# KiCad board solenoidDecoder.kicad_pcb (continued)
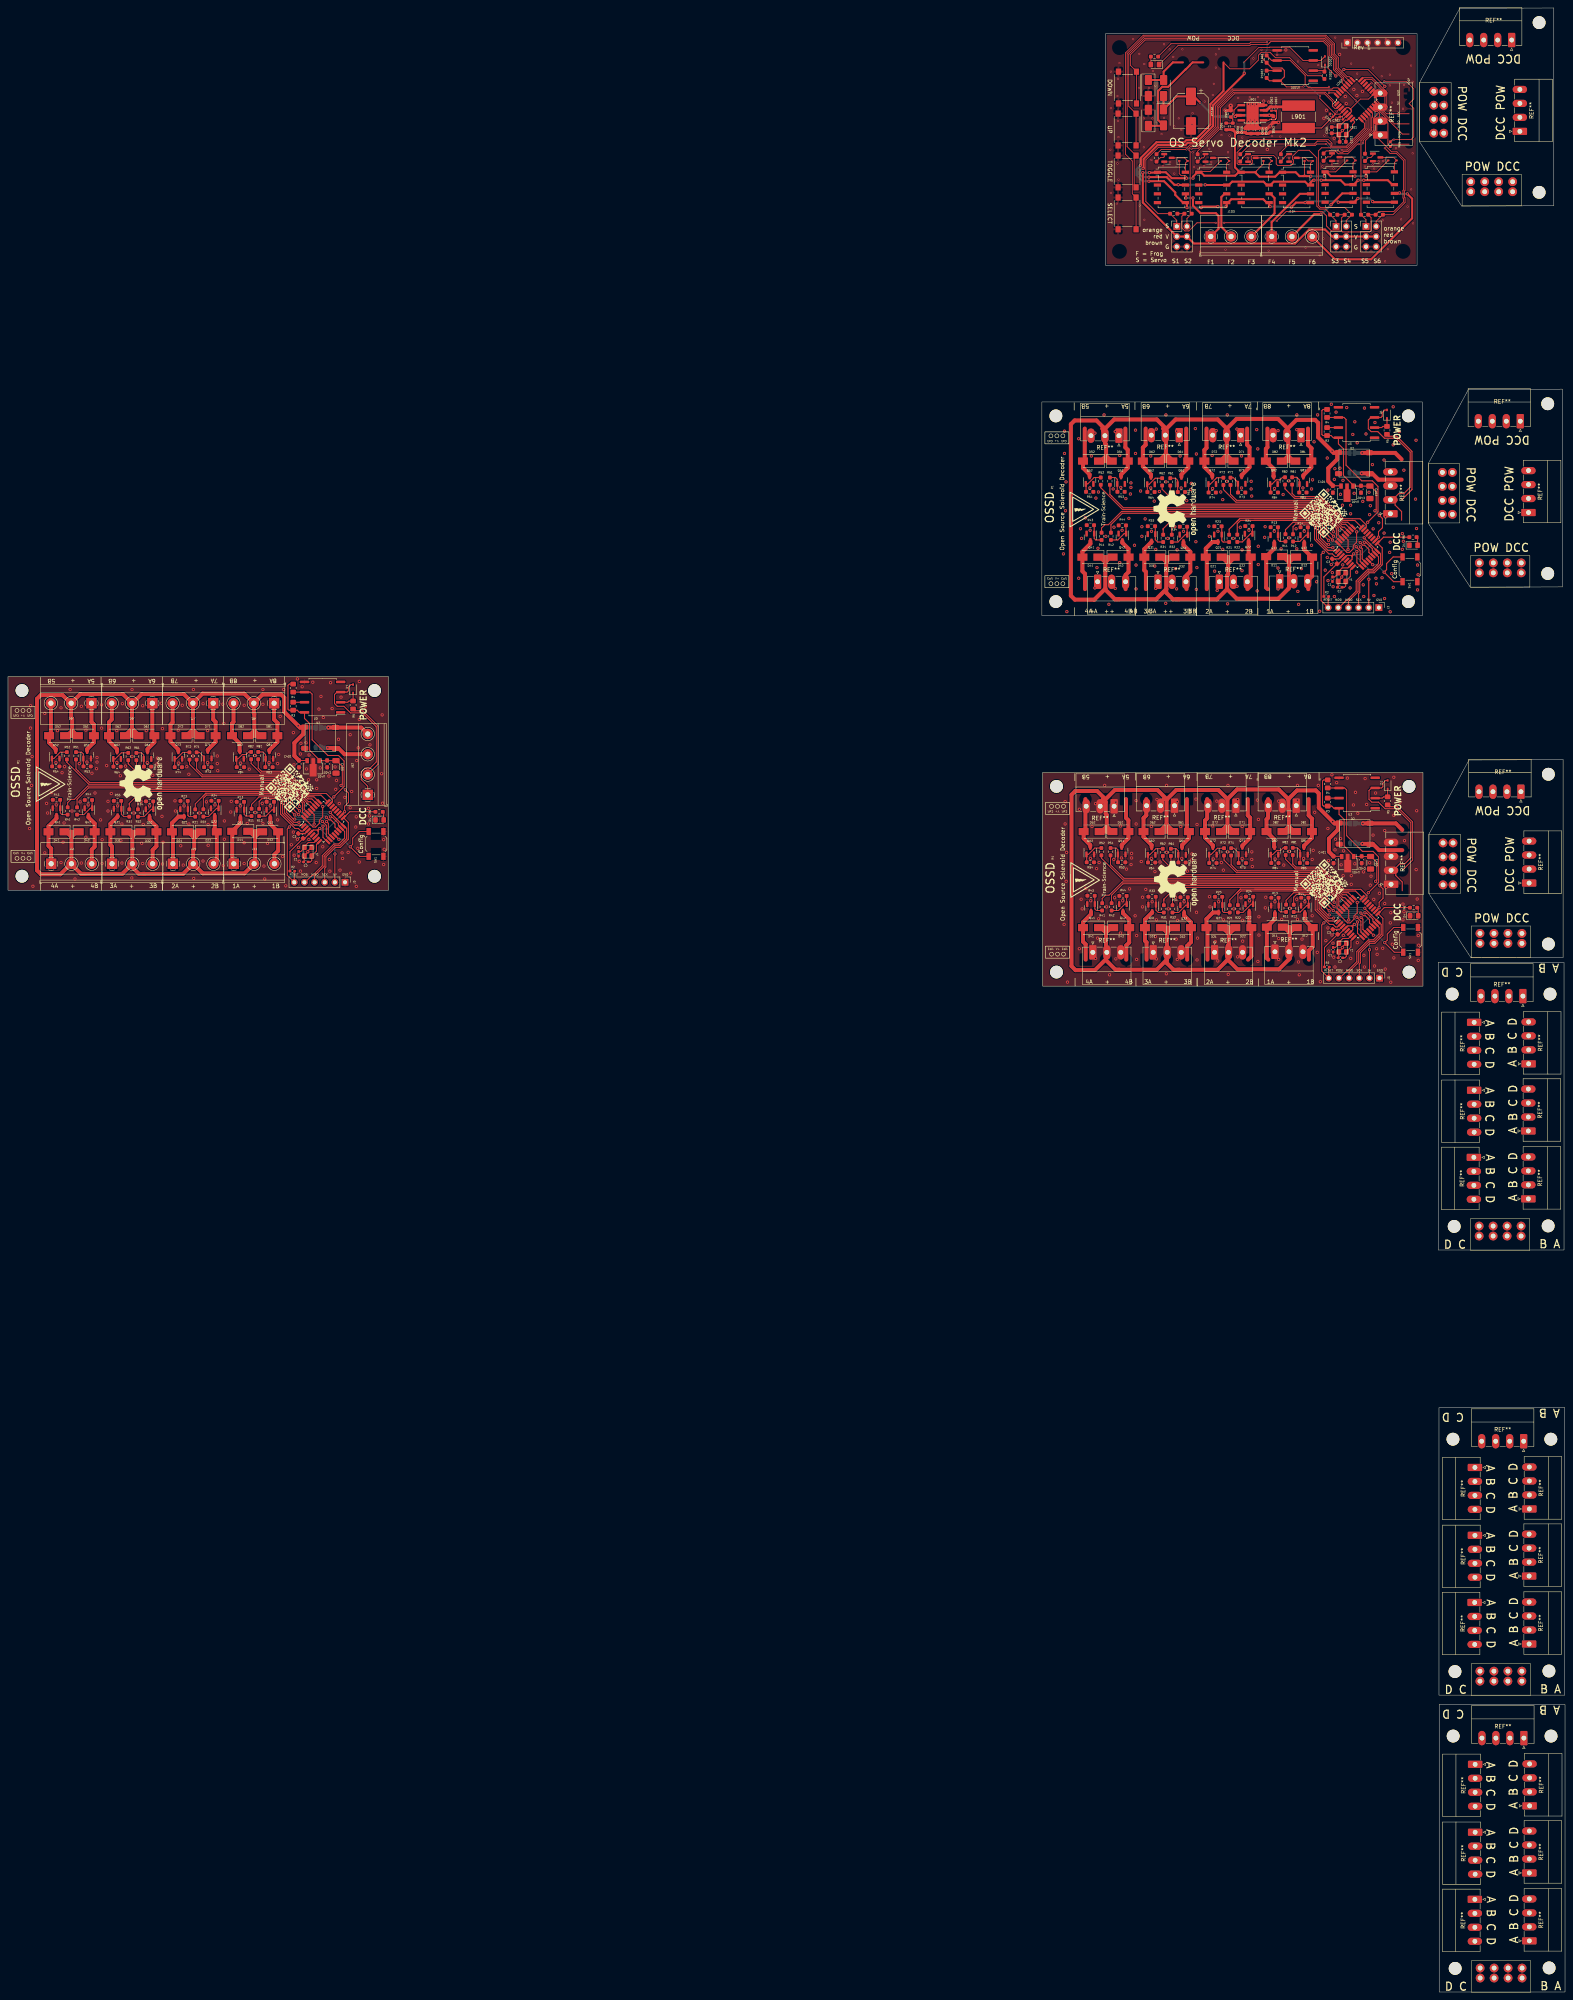
[diagram p0: board, top side]
## Routing (per net, layer and track width the routed paths; a pad name or vN(x,y) marks a point on that pad's centre or on a via; arc(x,y) is an arc through that point) (continued)
Net-(D42-A): length 38.9
  Top w1: Q42#3.3 278.98,362.84 280.54,361.28 D42#2.2 280.54,355.5 279.8,354.76 279.8,351.21 ; 279.96,258.46 279.96,262.01 280.7,262.74 D42.2 280.7,268.52 279.14,270.08 Q42#2.3 ; 20.96,282.46 20.96,286.01 21.7,286.74 D42#3.2 21.7,292.52 20.14,294.08 Q42.3
Net-(D51-A): length 38.7
  Top w1: Q51#3.3 278.66,379.91 280.34,381.59 D51#2.2 280.34,386.1 279.74,386.7 279.74,391.4 ; 279.9,298.64 279.9,293.94 280.5,293.34 D51#3.2 280.5,288.83 278.82,287.15 Q51#2.3 ; J51.1 20.9,317.94 21.5,317.34 D51.2 21.5,312.83 19.82,311.15 Q51.3
Net-(D52-A): length 38.5
  Top w1: J51.3 10.74,314.96 D52#2.2 10.29,312.8 11.95,311.15 Q52.3 ; 269.58,391.4 269.58,383.71 D52#3.2 269.13,381.55 270.79,379.9 Q52#3.3 ; 269.74,298.64 269.74,290.96 D52.2 269.29,288.8 270.95,287.15 Q52#2.3
Net-(D61-A): length 39
  Top w1: 295.13,298.64 295.13,291.03 D61#3.2 295.65,288.86 293.93,287.15 Q61#3.3 ; 36.13,322.64 36.13,315.03 D61#2.2 36.65,312.86 34.93,311.15 Q61.3 ; 294.97,391.4 294.97,383.78 D61.2 295.49,381.62 293.77,379.9 Q61#2.3
Net-(D62-A): length 39.6
  Top w1: 284.82,391.4 284.82,387.33 284.12,386.63 D62#3.2 284.12,381.94 286.15,379.9 Q62#2.3 ; Q62.3 286.31,287.15 284.28,289.18 D62.2 284.28,293.88 284.98,294.58 284.98,298.64 ; J61.3 25.98,318.58 25.28,317.88 D62#2.2 25.28,313.18 27.31,311.15 Q62#3.3
Net-(D71-A): length 39
  Top w1: J71.1 51.38,318.58 51.98,317.98 D71#3.2 51.98,312.96 50.01,310.99 Q71#2.3 ; 310.22,391.4 310.22,387.33 310.82,386.73 D71#2.2 310.82,381.71 308.85,379.75 Q71#3.3 ; 310.38,298.64 310.38,294.58 310.98,293.98 D71.2 310.98,288.96 309.01,286.99 Q71.3
Net-(D72-A): length 39.2
  Top w1: 300.06,391.4 300.06,386.57 299.52,386.03 D72.2 299.52,381.78 301.49,379.81 Q72.3 ; Q72#2.3 301.65,287.05 299.68,289.02 D72#3.2 299.68,293.28 300.22,293.82 300.22,298.64 ; Q72#3.3 42.65,311.05 40.68,313.02 D72#2.2 40.68,317.28 41.22,317.82 J71.3
Net-(D81-A): length 39.7
  Top w1: J81.1 66.62,318.57 67.51,317.69 67.44,317.62 D81.2 67.44,312.93 65.44,310.93 Q81.3 ; 325.46,391.4 325.46,387.33 326.35,386.44 326.28,386.38 D81#2.2 326.28,381.68 324.28,379.68 Q81#2.3 ; 325.62,298.64 325.62,294.57 326.51,293.69 326.44,293.62 D81#3.2 326.44,288.93 324.44,286.93 Q81#3.3
Net-(D82-A): length 39
  Top w1: Q82#2.3 316.98,286.72 316.98,288.61 D82.2 315.08,293.56 315.46,293.95 315.46,298.64 ; Q82#3.3 316.82,379.48 316.82,381.36 D82#2.2 314.92,386.32 315.3,386.7 315.3,391.4 ; J81.3 56.46,317.95 56.08,317.56 D82#3.2 57.98,312.61 57.98,310.72 Q82.3
Net-(Q11-G): length 15.5
  Top w0.25: R11.2 318.58,270.4 318.13,270.84 Q11#3.1 318.13,273.91 R13.2 ; R11#3.2 59.58,294.4 59.13,294.84 Q11.1 59.13,297.91 R13#3.2 ; R11#2.2 318.42,363.15 317.97,363.6 Q11#2.1 317.97,366.67 R13#2.2
Net-(Q12-G): length 19.2
  Top w0.25: R12#3.2 64.54,294.37 66.14,295.97 Q12#3.1 66.62,297.91 R14.2 ; R12.2 323.38,363.13 324.98,364.72 Q12#2.1 325.46,366.67 R14#3.2 ; R14#2.2 325.62,273.91 Q12.1 325.14,271.97 323.54,270.37 R12#2.2
Net-(Q21-G): length 16.8
  Top w0.25: R23#2.2 304.03,274.14 Q21#3.1 304.03,270.59 304.38,270.25 R21#3.2 ; R21.2 304.22,363 303.87,363.34 Q21.1 303.87,366.9 R23#3.2 ; R23.2 45.03,298.14 Q21#2.1 45.03,294.59 45.38,294.25 R21#2.2
Net-(Q22-G): length 19.7
  Top w0.25: R24#3.2 311.71,274.2 Q22.1 311.23,272.32 309.18,270.27 R22.2 ; R22#2.2 309.01,363.02 311.07,365.08 Q22#3.1 311.55,366.96 R24#2.2 ; R24.2 52.71,298.2 Q22#2.1 52.23,296.32 50.18,294.27 R22#3.2
Net-(Q31-G): length 16.8
  Top w0.25: R33#3.2 287.4,274.14 Q31.1 287.4,270.84 287.99,270.25 R31#2.2 ; R33#2.2 28.4,298.14 Q31#2.1 28.4,294.84 28.99,294.25 R31.2 ; R31#3.2 287.83,363 287.24,363.6 Q31#3.1 287.24,366.9 R33.2
Net-(Q32-G): length 19.9
  Top w0.25: R34.2 295.2,364.89 Q32#2.1 294.75,364.85 292.9,363 R32#3.2 ; R34#3.2 36.36,296.13 Q32#3.1 35.91,296.1 34.06,294.25 R32#2.2 ; R34#2.2 295.36,272.13 Q32.1 294.91,272.1 293.06,270.25 R32.2
Net-(Q41-G): length 16
  Top w0.25: R41#2.2 13.5,294.75 13.09,295.16 Q41.1 13.09,298.42 R43.2 ; R41.2 272.5,270.75 272.09,271.16 Q41#3.1 272.09,274.42 R43#2.2 ; R41#3.2 272.34,363.51 271.93,363.91 Q41#2.1 271.93,367.18 R43#3.2
Net-(Q42-G): length 19.6
  Top w0.25: R42#3.2 277.84,363.51 279.44,365.1 Q42#3.1 279.89,365.14 R44.2 ; R42.2 19,294.75 20.6,296.35 Q42.1 21.05,296.39 R44#3.2 ; R42#2.2 278,270.75 279.6,272.35 Q42#2.1 280.05,272.39 R44#2.2
Net-(Q51-G): length 15.5
  Top w0.25: R51#3.2 18.41,310.39 18.87,309.94 Q51.1 18.87,306.85 R53.2 ; R53#3.2 277.87,282.85 Q51#2.1 277.87,285.94 277.41,286.39 R51#2.2 ; R51.2 277.25,379.15 277.71,378.69 Q51#3.1 277.71,375.61 R53#2.2
Net-(Q52-G): length 19.2
  Top w0.25: R52.2 271.92,379.15 270.32,377.55 Q52#3.1 269.9,377.49 R54#2.2 ; R52#2.2 272.08,286.39 270.48,284.8 Q52#2.1 270.06,284.74 R54.2 ; R52#3.2 13.08,310.39 11.48,308.8 11,308.8 11.06,308.74 R54#3.2
Net-(Q61-G): length 15
  Top w0.25: R63#2.2 33.98,306.8 Q61.1 33.98,309.69 33.45,310.22 R61.2 ; R63.2 292.82,375.56 Q61#2.1 292.82,378.44 292.29,378.97 R61#3.2 ; R61#2.2 292.45,286.22 292.98,285.69 Q61#3.1 292.98,282.8 R63#3.2
Net-(Q62-G): length 19
  Top w0.25: R64.2 285.4,284.66 Q62.1 285.85,284.7 287.37,286.22 R62#3.2 ; R64#2.2 285.24,377.42 Q62#2.1 285.69,377.46 287.21,378.97 R62#2.2 ; R64#3.2 26.4,308.66 Q62#3.1 26.85,308.7 28.37,310.22 R62.2
Net-(Q71-G): length 14.7
  Top w0.25: R73.2 308.1,284.79 Q71.1 308.06,285.21 306.93,286.35 R71#2.2 ; R73#3.2 307.94,377.55 Q71#3.1 307.9,377.96 306.76,379.1 R71#3.2 ; R71.2 47.93,310.35 49.06,309.21 Q71#2.1 49.1,308.79 R73#2.2
Net-(Q72-G): length 19.6
  Top w0.25: R72#3.2 302.62,379.1 301.02,377.51 Q72.1 300.57,377.47 R74#3.2 ; R72.2 302.78,286.35 301.18,284.75 Q72#2.1 300.73,284.71 R74.2 ; R72#2.2 43.78,310.35 42.18,308.75 Q72#3.1 41.73,308.71 R74#2.2
Net-(Q81-G): length 16.6
  Top w0.25: Q81#2.1 323.33,375.46 R83#3.2 ; Q81#2.1 323.15,377.32 ; Q81#2.1 323.33,378.54 322.66,379.2 R81.2 ; R83.2 64.49,306.71 64.49,308.75 ; Q81#3.1 323.49,282.71 R83#2.2 ; Q81#3.1 323.31,284.57 ; Q81#3.1 323.49,285.78 322.82,286.45 R81#2.2 ; R81#3.2 63.82,310.45 64.49,309.78 64.49,308.75 ; 64.49,308.75 64.31,308.57
Net-(Q82-G): length 19.9
  Top w0.25: R84.2 316.11,377.36 Q82#3.1 316.46,377.51 317.52,378.57 318.47,378.57 319.1,379.2 R82#3.2 ; R82.2 319.26,286.45 318.63,285.81 317.68,285.81 316.62,284.75 Q82#2.1 316.27,284.61 R84#2.2 ; R84#3.2 57.27,308.61 Q82.1 57.62,308.75 58.68,309.81 59.63,309.81 60.26,310.45 R82#2.2
Net-(SW1-A): length 53.7
  Top w0.25: v2(341.84,264.57) U1.12 ; SW1.1 346.79,359.27 345.14,357.62 345.14,356.08 v2(344.51,355.45) 346.9,353.07 SW1.1 ; v2(82.84,288.57) U1#3.12 ; SW1#3.1 347.06,260.31 v2(344.67,262.7) 345.3,263.33 345.3,264.86 346.95,266.51 SW1#3.1 ; SW1#2.1 87.95,290.51 86.3,288.86 86.3,287.33 v2(85.67,286.7) 88.06,284.31 SW1#2.1 ; v2(341.68,357.32) U1#2.12
  Bottom w0.25: v2(82.84,288.57) 83.8,288.57 v2(85.67,286.7) ; v2(341.68,357.32) 342.64,357.32 v2(344.51,355.45) ; v2(341.84,264.57) 342.8,264.57 v2(344.67,262.7)
Net-(U3-EN): length 8.5
  Top w0.25: U3.7 R3#3.2 ; U3#3.7 R3.2 ; U3#2.7 R3#2.2
unconnected-(U1-PB1-Pad13): length 0.2
  Top w0.25: U1#3.13 82.22,290.25 ; U1.13 341.22,266.25 ; U1#2.13 341.06,359

## Copper pours and planes (outline as drawn; the poured copper is in the pictures)
GND on Top, Bottom: 364.75,243.32 228.75,243.32 228.75,308.82 364.75,308.82
GND on Top, Bottom: 105.75,267.32 -30.25,267.32 -30.25,332.82 105.75,332.82
GND on Top, Bottom: 267.27,500.77 360.27,497.27 361.27,424.77 266.27,424.77

## Text on the board
B.Silkscreen: + | - | 4A maximum total load | Solder for more current / Or if rectifier dies
F.Silkscreen: Coil | V+ | RESET | MOSI | MISO | SCK | 5V | GND | R1 | RES | ICSP | 4A    +     4B | 3A    +     3B | 2A    +     2B | 1A    +     1B | F = Frog / S = Servo | Rev 1 | orange / red / brown | S | V | G | S1 | S2 | F1 | F2 | F3 | F4 | F5 | F6 | S3 | S4 | S5 | S6 | Open Source Solenoid Decoder | Manual | Config | 5A    +     5B | 6A    +     6B | 7A    +     7B | 8A    +     8B | POW | DCC | DOWN | UP | TOGGLE | SELECT | POWER | OS Servo Decoder Mk2 | POW DCC | A B C D | D C | B A | OSSD | DCC POW | C D | A B
